# KiCad board Kea Nano PCB V1-rounded.kicad_pcb
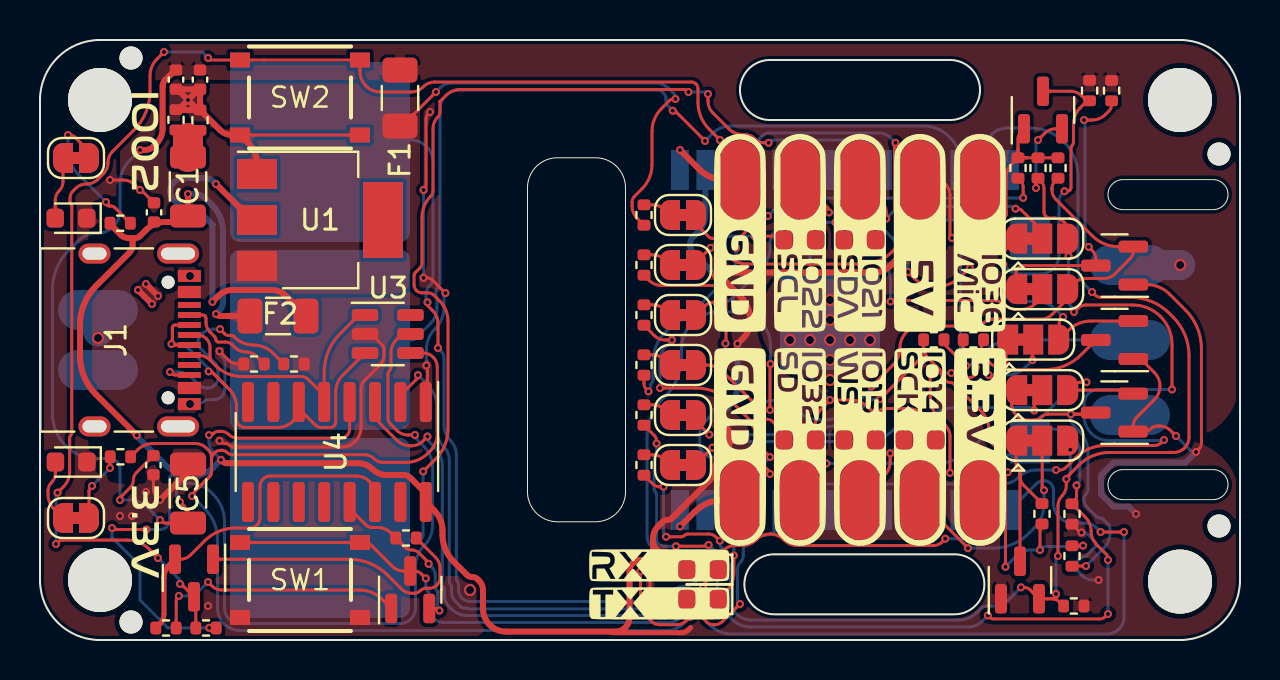
[diagram p0: board, top side]
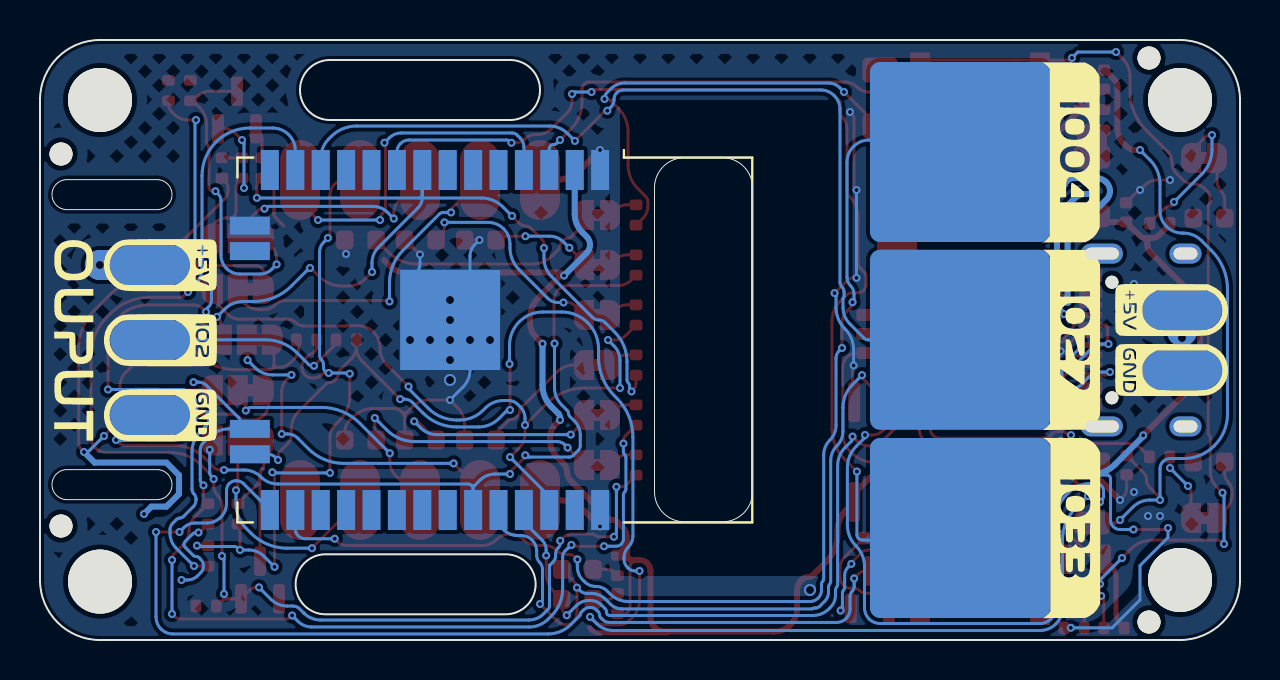
[diagram p1: board, bottom side, seen from below]

Outline 60 x 30 mm; copper layers: Top (plane), Bottom. Coordinates in mm from the lower left corner of the outline.
Outline path: 54.15,23.02 53.4,22.27 54.15,21.52 58.65,21.52 59.4,22.27 58.65,23.02 closed ; 54.15,8.52 53.4,7.77 54.15,7.02 58.65,7.02 59.4,7.77 58.65,8.52 closed ; 45.5,29 47,27.5 45.5,26 36.5,26 35,27.5 36.5,29 closed ; 45.72,4.29 47.22,2.79 45.72,1.29 36.72,1.29 35.22,2.79 36.72,4.29 closed ; 29.27,22.61 28.84,23.67 27.77,24.11 25.87,24.11 24.81,23.67 24.37,22.61 24.37,7.41 24.81,6.35 25.87,5.91 27.77,5.91 28.84,6.35 29.27,7.41 closed ; 0,27 0,3 arc(0.88,0.88) 3,0 57,0 arc(59.12,0.88) 60,3 60,27 arc(59.12,29.12) 57,30 3,30 arc(0.88,29.12) 0,27
Stack: Top 0.035mm / dielectric 1.51mm FR4 er 4.5 / Bottom 0.035mm

## Placement (name value [footprint] x y rotation side)
3.3V1  IO  [IO Pad]  47 7 180 top
5V1  IO  [IO Pad]  44 23 0 top
5V2  IO  [IO Pad]  54.5 18.75 270 bottom
5V3  IO  [IO Pad]  2.9 16.5 90 bottom
C1  22uF  [C_1206_3216Metric]  7.4 22.67 90 top
C2  100nF  [C_0402_1005Metric]  8 28.02 270 top
C3  100nF  [C_0402_1005Metric]  5.7 21.38 90 top
C4  10nF  [C_0402_1005Metric]  6.8 28.02 270 top
C5  100uF  [C_1206_3216Metric]  7.4 7.33 90 top
C6  10nF  [C_0402_1005Metric]  5.67 8.74 270 top
D1  White  [LED_0603_1608Metric]  37.98 10 180 top
D2  Green  [LED_0603_1608Metric]  33.13 2.03 180 top
D3  Red  [LED_0603_1608Metric]  33.13 3.53 180 top
D4  White  [LED_0603_1608Metric]  43.98 10 180 top
D5  White  [LED_0603_1608Metric]  40.98 10 180 top
D6  Green  [LED_0603_1608Metric]  1.55 21.09 180 top
D7  Green  [LED_0603_1608Metric]  43.98 20 180 top
D8  Red  [LED_0603_1608Metric]  37.98 20 180 top
D9  Green  [LED_0603_1608Metric]  40.98 20 180 top
D10  Yellow  [LED_0603_1608Metric]  1.56 8.9 180 top
F1  Polyfuse-3A  [Fuse_1206_3216Metric]  18 27.1 90 top
F2  Polyfuse-3A  [Fuse_1206_3216Metric]  11.9 16.2 180 top
G***  -  [LOGO]  35 20.36 0 top
G***#2  -  [LOGO]  35 9.65 0 top
G***#3  -  [LOGO]  38 9.65 0 top
G***#4  -  [LOGO]  5.27 24.92 270 top
G***#5  -  [LOGO]  30.95 3.73 0 top
G***#6  -  [LOGO]  38 20.36 0 top
G***#7  -  [LOGO]  30.95 1.83 0 top
G***#8  -  [LOGO]  44 9.65 0 top
G***#9  -  [LOGO]  5.27 5.39 270 top
G***#10  -  [LOGO]  43.99 20.36 0 top
G***#11  -  [LOGO]  41 20.36 0 top
G***#12  -  [LOGO]  47 9.65 0 top
G***#13  -  [LOGO]  41 9.65 0 top
G***#14  -  [LOGO]  46.99 20.36 0 top
G***#15  -  [LOGO]  3.4 16.5 270 bottom
G***#16  -  [LOGO]  58.3 15 270 bottom
G***#17  -  [LOGO]  12.73 5.6 180 bottom
G***#18  -  [LOGO]  54 11.24 90 bottom
G***#19  -  [LOGO]  3.4 13.5 270 bottom
G***#20  -  [LOGO]  12.76 24.38 180 bottom
G***#21  -  [LOGO]  54 18.74 90 bottom
G***#22  -  [LOGO]  12.74 15.01 180 bottom
G***#23  -  [LOGO]  54 14.99 90 bottom
GND1  IO  [IO Pad]  35 7 180 top
GND2  IO  [IO Pad]  35 23 0 top
GND3  IO  [IO Pad]  54.5 11.25 270 bottom
GND4  IO  [IO Pad]  2.9 13.5 90 bottom
H1  MountingHole  [MountingHole_3.2mm_M3_DIN965]  57 2.92 0 top
H2  MountingHole  [MountingHole_3.2mm_M3_DIN965]  3 3 0 top
H3  MountingHole  [MountingHole_3.2mm_M3_DIN965]  57 27 0 top
H4  MountingHole  [MountingHole_3.2mm_M3_DIN965]  3 27 0 top
IO2  IO  [IO Pad]  54.5 15 270 bottom
IO4  -  [Touch Pad]  14 24.4 180 bottom
IO14  IO  [IO Pad]  44 7 180 top
IO15  IO  [IO Pad]  41 7 180 top
IO21  IO  [IO Pad]  41 23 0 top
IO22  IO  [IO Pad]  38 23 0 top
IO27  -  [Touch Pad]  14 15.01 180 bottom
IO32  IO  [IO Pad]  38 7 180 top
IO33  -  [Touch Pad]  14 5.6 180 bottom
IO36  IO  [IO Pad]  47 23 0 top
J1  TYPE-C-USB-SMD  [USB_C_Receptacle_XKB_U262-16XN-4BVC11]  3.8 15 270 top
JP1  SolderJumper_2_Bridged  [SolderJumper-2_P1.3mm_Bridged_RoundedPad1.0x1.5mm]  32.15 13.75 180 top
JP2  SolderJumper_3_Bridged12  [SolderJumper-3_P1.3mm_Bridged12_RoundedPad1.0x1.5mm]  49.66 15.02 0 top
JP3  SolderJumper_2_Bridged  [SolderJumper-2_P1.3mm_Bridged_RoundedPad1.0x1.5mm]  32.15 8.75 180 top
JP4  SolderJumper_3_Bridged12  [SolderJumper-3_P1.3mm_Bridged12_RoundedPad1.0x1.5mm]  50.11 9.97 0 top
JP5  SolderJumper_2_Bridged  [SolderJumper-2_P1.3mm_Bridged_RoundedPad1.0x1.5mm]  32.15 11.25 180 top
JP6  SolderJumper_3_Bridged12  [SolderJumper-3_P1.3mm_Bridged12_RoundedPad1.0x1.5mm]  50.11 12.5 0 top
JP7  SolderJumper_2_Bridged  [SolderJumper-2_P1.3mm_Bridged_RoundedPad1.0x1.5mm]  1.8 24.1 0 top
JP8  SolderJumper_2_Bridged  [SolderJumper-2_P1.3mm_Bridged_RoundedPad1.0x1.5mm]  32.15 21.25 180 top
JP9  SolderJumper_2_Bridged  [SolderJumper-2_P1.3mm_Bridged_RoundedPad1.0x1.5mm]  32.15 18.75 180 top
JP10  SolderJumper_3_Bridged12  [SolderJumper-3_P1.3mm_Bridged12_RoundedPad1.0x1.5mm]  50.11 20.07 0 top
JP11  SolderJumper_2_Bridged  [SolderJumper-2_P1.3mm_Bridged_RoundedPad1.0x1.5mm]  32.15 16.25 180 top
JP12  SolderJumper_3_Bridged12  [SolderJumper-3_P1.3mm_Bridged12_RoundedPad1.0x1.5mm]  50.11 17.55 0 top
JP13  SolderJumper_2_Bridged  [SolderJumper-2_P1.3mm_Bridged_RoundedPad1.0x1.5mm]  1.8 6.1 0 top
Q1  BSS138  [SOT-23]  53.73 15 180 top
Q2  BSS138  [SOT-23]  49 3 90 top
Q3  BSS138  [SOT-23]  53.72 11.37 180 top
Q4  BSS138  [SOT-23]  50.15 26.5 90 top
Q5  MMBT3904  [SOT-23]  7.7 3.1 270 top
Q6  MMBT3904  [SOT-23]  18.51 2.51 90 top
Q7  BSS138  [SOT-23]  53.73 18.72 180 top
R1  10k  [R_0402_1005Metric]  8.3 0.6 0 top
R2  5.1k  [R_0402_1005Metric]  12.7 13.8 0 top
R3  5.1k  [R_0402_1005Metric]  10.7 13.8 180 top
R4  100R  [R_0402_1005Metric]  30.2 13.75 90 top
R5  10k  [R_0402_1005Metric]  48.9 23.6 90 top
R6  10k  [R_0402_1005Metric]  46.67 15.01 180 top
R7  100R  [R_0402_1005Metric]  31.13 1.82 90 top
R8  200R  [R_0402_1005Metric]  31.13 3.73 270 top
R9  1R  [R_0402_1005Metric]  6.8 26.01 270 top
R10  100R  [R_0402_1005Metric]  30.2 8.75 90 top
R11  1R  [R_0402_1005Metric]  8 25.99 90 top
R12  10k  [R_0402_1005Metric]  51.69 1.7 0 top
R13  10k  [R_0402_1005Metric]  50.1 6.31 270 top
R14  100R  [R_0402_1005Metric]  30.2 11.25 90 top
R15  100R  [R_0402_1005Metric]  4.01 20.84 0 top
R16  10k  [R_0402_1005Metric]  51.6 6.3 270 top
R17  10k  [R_0402_1005Metric]  51.6 4.2 90 top
R18  330R  [R_0402_1005Metric]  30.2 21.25 90 top
R19  200R  [R_0402_1005Metric]  30.2 18.75 90 top
R20  10k  [R_0402_1005Metric]  49.9 23.6 90 top
R21  10k  [R_0402_1005Metric]  52.48 27.47 90 top
R22  100R  [R_0402_1005Metric]  30.2 16.25 90 top
R23  10k  [R_0402_1005Metric]  18.3 5.1 180 top
R24  10k  [R_0402_1005Metric]  6.3 0.6 180 top
R25  10k  [R_0402_1005Metric]  50.9 23.6 90 top
R26  10k  [R_0402_1005Metric]  53.58 27.47 90 top
R27  300R  [R_0402_1005Metric]  44.69 15.01 0 top
R28  200R  [R_0402_1005Metric]  4.02 9.16 180 top
REF**  -  [JLCPCB_Hole]  59 5.7 0 top
REF**#2  -  [JLCPCB_Hole]  59 24.3 0 top
REF**#3  -  [JLCPCB_Hole]  4.6 29.1 0 top
REF**#4  -  [JLCPCB_Hole]  4.6 0.9 0 top
SW1  BOOT  [TS-1187A-B-A-B]  13 3 0 top
SW2  RESET  [TS-1187A-B-A-B]  13 27.12 0 top
U1  AMS1117-3.3  [SOT-223]  14 21 0 top
U2  ESP32-WROOM-32D  [ESP32-WROOM-32]  40.25 15 270 bottom
U3  SRV05-4-P-T7  [SOT-23-6]  17.39 15.3 0 top
U4  CH340C  [SOP-16_3.9x9.9mm_P1.27mm]  14.84 9.4 270 top

## Library data of the parts
C1 = -: LCSC: C5672
C2 C3 = -: LCSC: C1525
C4 C6 = -: LCSC: C15195
C5 = -: LCSC: C15008
D1 D4 D5 = -: LCSC: C2290
D2 D6 D7 D9 = -: LCSC: C72043
D3 D8 = -: LCSC: C2286
D10 = -: LCSC: C72038
F1 F2 = -: LCSC: C516068
J1 = -: LCSC: C167321
Q1-Q4 Q7 = -: LCSC: C78284
Q5 Q6 = -: LCSC: C20526
R1 R5 R6 R12 R13 R16 R17 R20 R21 R23-R26 = -: LCSC: C25744
R2 R3 = -: LCSC: C25905
R4 R7 R10 R14 R15 R22 = -: LCSC: C25076
R8 R19 R28 = -: LCSC: C25087
R9 R11 = -: LCSC: C25086
R18 = -: LCSC: C25104
R27 = -: LCSC: C25102
SW1 SW2 = -: LCSC: C318884
U1 = -: LCSC: C6186
U3 = -: LCSC: C85364
U4 = -: LCSC: C84681

## Footprints (pads in the part's own frame, mm; a bottom-side part is the same pattern mirrored in y, then rotated)
C_0402_1005Metric
  rrect 0.56x0.62 smd: 1(-0.48,0) 2(0.48,0)
C_1206_3216Metric
  rrect 1.15x1.8 smd: 1(-1.475,0) 2(1.475,0)
ESP32-WROOM-32
  rect 2x0.9 smd: 1(-8.5,8.255) 2(-8.5,6.985) 3(-8.5,5.715) 4(-8.5,4.445) 5(-8.5,3.175) 6(-8.5,1.905) 7(-8.5,0.635) 8(-8.5,-0.635) 9(-8.5,-1.905) 10(-8.5,-3.175) 11(-8.5,-4.445) 12(-8.5,-5.715) 13(-8.5,-6.985) 14(-8.5,-8.255) 25(8.5,-8.255) 26(8.5,-6.985) 27(8.5,-5.715) 28(8.5,-4.445) 29(8.5,-3.175) 30(8.5,-1.905) 31(8.5,-0.635) 32(8.5,0.635) 33(8.5,1.905) 34(8.5,3.175) 35(8.5,4.445) 36(8.5,5.715) 37(8.5,6.985) 38(8.5,8.255)
  rect 0.9x2 smd: 15(-5.715,-9.255) 16(-4.445,-9.255) 23(4.445,-9.255) 24(5.715,-9.255)
  rect 5x5 smd: 39(-1,0.755)
Fuse_1206_3216Metric
  rrect 1.25x1.75 smd: 1(-1.4,0) 2(1.4,0)
IO Pad
  rrect 2x4 smd: 1(0,0)
JLCPCB_Hole
  round 1.152 hole 1.152 unplated: (-0.05,0)
LED_0603_1608Metric
  rrect 0.875x0.95 smd: 1(-0.787,0) 2(0.787,0)
MountingHole_3.2mm_M3_DIN965
  round 3.2 hole 3.2 unplated: (0,0)
R_0402_1005Metric
  rrect 0.54x0.64 smd: 1(-0.51,0) 2(0.51,0)
SolderJumper-2_P1.3mm_Bridged_RoundedPad1.0x1.5mm
  custom 1x1.5 smd: 1(-0.65,0) 2(0.65,0)
SolderJumper-3_P1.3mm_Bridged12_RoundedPad1.0x1.5mm
  custom 1.05x1.5 smd: 1(-1.3,0) 3(1.3,0)
  rect 1x1.5 smd: 2(0,0)
SOP-16_3.9x9.9mm_P1.27mm
  rrect 2x0.6 smd: 1(-2.5,4.445) 2(-2.5,3.175) 3(-2.5,1.905) 4(-2.5,0.635) 5(-2.5,-0.635) 6(-2.5,-1.905) 7(-2.5,-3.175) 8(-2.5,-4.445) 9(2.5,-4.445) 10(2.5,-3.175) 11(2.5,-1.905) 12(2.5,-0.635) 13(2.5,0.635) 14(2.5,1.905) 15(2.5,3.175) 16(2.5,4.445)
SOT-23
  rrect 1.475x0.6 smd: 1(-0.938,0.95) 2(-0.938,-0.95) 3(0.938,0)
SOT-23-6
  rrect 1.325x0.6 smd: 1(-1.137,0.95) 2(-1.137,0) 3(-1.137,-0.95) 4(1.137,-0.95) 5(1.137,0) 6(1.137,0.95)
SOT-223
  rect 2x1.5 smd: 1(-3.15,2.3) 2(-3.15,0) 3(-3.15,-2.3)
  rect 2x3.8 smd: 4(3.15,0)
Touch Pad
  rrect 9x9 smd: 1(0,0)
TS-1187A-B-A-B
  rect 1x0.75 smd: 1(-3,1.875) 1(3,1.875) 2(-3,-1.875) 2(3,-1.875)
USB_C_Receptacle_XKB_U262-16XN-4BVC11
  round 0.65 hole 0.65 unplated: (-2.89,2.605) (2.89,2.605)
  rect 0.3x1.15 smd: A1(-3.35,3.67) A4(-2.55,3.67) A5(-1.25,3.67) A6(-0.25,3.67) A7(0.25,3.67) A8(1.25,3.67) A9(2.55,3.67) A12(3.35,3.67) B1(3.05,3.67) B4(2.25,3.67) B5(1.75,3.67) B6(0.75,3.67) B7(-0.75,3.67) B8(-1.75,3.67) B9(-2.25,3.67) B12(-3.05,3.67)
  oval 1x2.1 hole 0.6x1.7: S1(-4.32,3.105) S1(4.32,3.105)
  oval 1x1.6 hole 0.6x1.2: S1(-4.32,-1.075) S1(4.32,-1.075)

## Nets
+3V3: 3.3V1.1 C1.1 C3.1 F2.2 Q1.1 Q2.1 Q3.1 Q4.1 Q7.1 R1.2 R5.2 R7.1 R8.1 R12.2 R15.1 R16.2 R20.2 R25.2 U2.2 U4.4 U4.16
GND: C2.2 C3.2 C4.2 C5.2 C6.2 D1.1 D4.1 D5.1 D6.1 D7.1 D8.1 D9.1 D10.1 GND1.1 GND2.1 GND3.1 GND4.1 J1.A1 J1.A12 J1.B1 J1.B12 R2.2 R3.2 R9.1 R11.2 SW1.2 SW2.2 U1.1 U2.1 U2.15 U2.38 U2.39 U3.2 U4.1
VBUS: 5V1.1 5V2.1 C2.1 C4.1 C5.1 C6.1 F1.2 R6.2 R13.2 R17.2 R21.2 R26.2 U3.5
/CH340-DTR: Q6.2 R23.2 U4.13
/CH340-RTS: Q5.2 R24.2 U4.14
/CH340-RX: D2.1 U2.35 U4.3
/CH340-TX: D3.1 U2.34 U4.2
/IO0: Q6.3 SW1.1 U2.25
/IO2/WLED: R27.1 R28.1 U2.24 U3.4
/IO14/SCK: JP4.3 Q2.2 R10.1 R12.1 U2.13
/IO15/WS: JP6.3 Q3.2 R14.1 R16.1 U2.23
/IO21/SDA: JP10.3 Q4.2 R19.1 R20.1 U2.33
/IO22/SCL: JP12.3 Q7.2 R22.1 R25.1 U2.36
/IO32/SD: JP2.3 Q1.2 R4.1 R5.1 U2.8
/RESET: Q5.3 R1.1 SW2.1 U2.3
/USB_D+: J1.A6 J1.B6 U3.1 U4.5
/USB_D-: J1.A7 J1.B7 U3.3 U4.6
/USB_IN: 5V3.1 F1.1 J1.A4 J1.A9 J1.B4 J1.B9 R18.1 U1.3
Net-(C1-Pad2): C1.2 R9.2 R11.1
Net-(D1-Pad2): D1.2 JP1.1
Net-(D2-Pad2): D2.2 R7.2
Net-(D3-Pad2): D3.2 R8.2
Net-(D4-Pad2): D4.2 JP3.1
Net-(D5-Pad2): D5.2 JP5.1
Net-(D6-Pad2): D6.2 JP7.1
Net-(D7-Pad2): D7.2 JP8.1
Net-(D8-Pad2): D8.2 JP9.1
Net-(D9-Pad2): D9.2 JP11.1
Net-(D10-Pad2): D10.2 JP13.1
Net-(F2-Pad1): F2.1 U1.2
Net-(IO2-Pad1): IO2.1 R27.2
Net-(IO4-Pad1): IO4.1 U2.26
Net-(IO14-Pad1): IO14.1 JP4.2
Net-(IO15-Pad1): IO15.1 JP6.2
Net-(IO21-Pad1): IO21.1 JP10.2
Net-(IO22-Pad1): IO22.1 JP12.2
Net-(IO27-Pad1): IO27.1 U2.12
Net-(IO32-Pad1): IO32.1 JP2.2
Net-(IO33-Pad1): IO33.1 U2.9
Net-(IO36-Pad1): IO36.1 U2.4
Net-(J1-PadA5): J1.A5 R3.1
Net-(J1-PadB5): J1.B5 R2.1
Net-(JP1-Pad2): JP1.2 R4.2
Net-(JP2-Pad1): JP2.1 Q1.3 R6.1
Net-(JP3-Pad2): JP3.2 R10.2
Net-(JP4-Pad1): JP4.1 Q2.3 R13.1
Net-(JP5-Pad2): JP5.2 R14.2
Net-(JP6-Pad1): JP6.1 Q3.3 R17.1
Net-(JP7-Pad2): JP7.2 R15.2
Net-(JP8-Pad2): JP8.2 R18.2
Net-(JP9-Pad2): JP9.2 R19.2
Net-(JP10-Pad1): JP10.1 Q4.3 R21.1
Net-(JP11-Pad2): JP11.2 R22.2
Net-(JP12-Pad1): JP12.1 Q7.3 R26.1
Net-(JP13-Pad2): JP13.2 R28.2
Net-(Q5-Pad1): Q5.1 R23.1
Net-(Q6-Pad1): Q6.1 R24.1

Pads without a net: J1 A8 B8 S1; U1 4; U2 5 6 7 10 11 14 16 27 28 29 30 31 32 37; U3 6; U4 7 8 9 10 11 12 15

## Via types
v1: diameter 0.6, hole 0.4, Top to Bottom, 14 vias
v2: diameter 0.4, hole 0.2, Top to Bottom, 172 vias

## Routing (per net, layer and track width the routed paths; a pad name or vN(x,y) marks a point on that pad's centre or on a via; arc(x,y) is an arc through that point)
+3V3: length 168.3
  Top w0.15: 48.9,24.53 48.9,25.05 arc(48.94,25.25) 49.05,25.41 Q4.1 ; 48.9,24.53 arc(48.82,24.14) 48.6,23.81 ; 48.9,24.53 arc(49.02,24.23) 49.32,24.11 ; 49.32,24.11 R25.2 ; 49.32,24.11 arc(48.93,24.03) 48.6,23.81 ; Q1.1 54.85,14.05 arc(55.03,14.02) 55.17,13.92 55.72,13.37 arc(55.93,13.06) 56,12.69 arc(55.93,12.33) 55.72,12.02 54.85,11.15 arc(54.71,10.94) 54.66,10.69 arc(54.74,10.5) 54.93,10.42 55.2,10.42 arc(55.38,10.46) 55.54,10.56 arc(55.69,10.66) 55.88,10.7 55.99,10.7 arc(56.24,10.66) 56.47,10.53 56.8,10.2 v2(56.8,10.2) ; v2(3.6,5.6) 3.64,5.56 arc(3.68,5.54) 3.73,5.53 v2(5.33,5.53) ; v2(8.46,0.61) 8.46,0.6 arc(8.47,0.6) 8.48,0.6 R1.2 ; R16.2 51.99,5.4 arc(52.02,5.38) 52.05,5.37 v2(52.08,5.37) ; v2(8.45,10.25) 8.52,10.25 arc(8.59,10.26) 8.64,10.3 8.69,10.34 arc(8.79,10.41) 8.91,10.43 9.04,10.43 arc(9.27,10.39) 9.46,10.26 arc(9.65,10.13) 9.87,10.09 15.02,10.09 arc(15.2,10.13) 15.34,10.22 arc(15.44,10.37) 15.48,10.55 U4.4 ; 49.9,24.1 49.8,24.1 ; v2(57.8,9.4) 57.94,9.54 arc(58.04,9.69) 58.07,9.86 58.07,14.57 arc(57.86,15.61) 57.27,16.5 56.47,17.3 arc(55.95,17.65) 55.33,17.77 54.78,17.77 arc(54.68,17.75) 54.59,17.69 54.5,17.61 ; 47.8,20.7 48.26,21.16 arc(48.29,21.2) 48.3,21.25 48.3,23.09 arc(48.38,23.48) 48.6,23.81 ; R7.1 30.82,1.31 arc(30.7,1.33) 30.59,1.41 arc(30.52,1.51) 30.5,1.63 30.5,3.7 arc(30.48,3.82) 30.41,3.91 30.39,3.94 arc(30.32,3.98) 30.24,4 ; 7.25,21.05 arc(7.08,20.94) 6.89,20.9
  Top w0.25: 28.59,0.39 28.6,0.38 arc(28.62,0.37) 28.63,0.37 32.1,0.37 arc(32.26,0.4) 32.4,0.49 32.53,0.62
  Top w0.3: v2(9.05,9.01) 9.13,8.92 arc(9.23,8.86) 9.34,8.84 15.91,8.84 arc(16.3,8.76) 16.63,8.54 arc(16.95,8.33) 17.34,8.25 18.17,8.25 arc(18.36,8.21) 18.52,8.1 19.14,7.49 arc(19.25,7.32) 19.29,7.12 arc(19.33,6.92) 19.44,6.75 19.71,6.48 arc(20.02,6.02) 20.13,5.47 20.13,5.27 arc(20.27,4.54) 20.69,3.91 21.34,3.26 arc(21.46,3.18) 21.61,3.15 arc(21.76,3.12) 21.88,3.04 21.96,2.96 arc(22.1,2.75) 22.15,2.5 22.15,1.56 arc(22.24,1.13) 22.48,0.76 arc(22.86,0.51) 23.29,0.42 28.77,0.42 arc(29.04,0.47) 29.27,0.63 arc(29.42,0.86) 29.48,1.13 29.48,3.45 arc(29.52,3.66) 29.64,3.84 arc(29.82,3.96) 30.03,4 30.41,4 ; v2(34,11) 34.25,10.75 arc(34.44,10.47) 34.5,10.15 34.5,10 arc(34.41,9.54) 34.15,9.15 33.83,8.83 arc(33.7,8.63) 33.65,8.4 arc(33.6,8.17) 33.47,7.97 31.6,6.1 arc(31.49,6.03) 31.36,6 arc(31.23,5.97) 31.12,5.9 30.9,5.68 arc(30.72,5.4) 30.65,5.07 30.65,5 ; 30.85,4.52 R8.1 ; 30.85,4.52 arc(30.72,4.54) 30.65,4.44 ; 30.85,4.52 arc(30.7,4.74) 30.65,5 ; R15.1 3.5,20.82 arc(3.5,20.8) 3.51,20.79 4.05,20.25 arc(4.22,20.14) 4.41,20.1 4.5,20.1 ; 4.76,20.1 4.5,20.1 ; 4.76,20.1 arc(4.89,20.12) 5,20.2 5.3,20.5 arc(5.74,20.8) 6.27,20.9 6.89,20.9 ; 4.76,20.1 arc(4.67,20.06) 4.63,19.97 ; 4.5,20.1 arc(4.59,20.06) 4.63,19.97 ; 42.8,19 42.49,18.69 arc(42.14,18.46) 41.73,18.38 34.06,18.38 arc(33.96,18.36) 33.88,18.3 v2(33.8,18.22) 33.89,18.22 arc(33.97,18.21) 34.04,18.16 35.05,17.15 arc(35.38,16.65) 35.5,16.07 35.5,15.88 arc(35.42,15.47) 35.19,15.13 v2(34.87,14.81) ; 4.63,19.97 4.63,19.75 arc(4.59,19.55) 4.48,19.38 2.8,17.7 arc(2.21,16.81) 2,15.77 2,14.2 arc(2.21,13.16) 2.8,12.28 v2(4.84,10.23) ; F2.2 8.97,16.2 arc(8.91,16.21) 8.85,16.25 v2(8.8,16.3) ; 30.65,5 30.65,4.44 ; 30.65,4.44 30.65,4.26 arc(30.63,4.16) 30.58,4.08 30.56,4.06 arc(30.49,4.02) 30.41,4 ; v2(7.4,22.3) 7.4,21.41 arc(7.36,21.22) 7.25,21.05 ; 30.41,4 arc(30.38,3.98) 30.39,3.94
  Bottom w0.15: v2(57.8,9.4) 57.7,9.4 arc(57.61,9.42) 57.53,9.47 v2(56.8,10.2) ; v2(52.08,5.37) 52.19,5.37 arc(52.29,5.35) 52.37,5.3 52.74,4.93 arc(52.78,4.86) 52.8,4.78 arc(52.78,4.7) 52.74,4.63 52.34,4.24 arc(52.27,4.19) 52.19,4.17 arc(52.11,4.16) 52.04,4.11 51.96,4.04 arc(51.86,3.88) 51.83,3.7 arc(51.86,3.52) 51.96,3.36 52.12,3.21 arc(52.35,3.05) 52.63,3 v2(52.93,3) ; 3.6,5.5 v2(3.6,5.6) 3.6,5.12 5,3.72 5,2 6.39,0.61 v2(8.46,0.61) ; v2(8.45,10.25) 8.45,9.93 arc(8.51,9.63) 8.68,9.38 v2(9.05,9.01) ; 7.09,8.25 6.65,8.25 arc(6.59,8.24) 6.53,8.2 arc(6.49,8.14) 6.47,8.07 6.47,6 arc(6.44,5.82) 6.34,5.66 arc(6.18,5.56) 6,5.53 v2(5.33,5.53)
  Bottom w0.3: v2(7.4,22.3) 7.73,22.3 arc(8.03,22.24) 8.28,22.07 8.6,21.75 arc(9.01,21.14) 9.15,20.42 9.15,16.9 arc(9.1,16.67) 8.98,16.48 v2(8.8,16.3) ; v2(34.87,14.81) 34.87,12.73 arc(34.76,12.16) 34.44,11.67 34.08,11.32 arc(34.02,11.23) 34,11.12 v2(34,11) ; v2(4.84,10.23) 4.84,10.21 arc(4.84,10.19) 4.86,10.17 6.24,8.79 arc(6.83,8.39) 7.53,8.25 7.75,8.25 arc(8.25,8.35) 8.67,8.63 v2(9.05,9.01) ; v2(57.8,9.4) 57.27,8.87 53.68,8.87 53.05,8.24 53.05,7.29 53.68,6.67 54.43,6.67 v2(54.8,6.3) ; v2(33.8,18.22) 32.67,19.35 arc(32.54,19.54) 32.5,19.76 arc(32.54,19.98) 32.67,20.17 32.88,20.38 arc(33.17,20.81) 33.26,21.31 U2.2
GND: length 90
  Top w0.15: v2(41,19.27) 41.71,19.99 arc(41.73,20) 41.75,20 D9.1 42.02,20 ; v2(44.7,19.3) 44.73,19.33 arc(44.76,19.37) 44.77,19.42 44.77,19.87 arc(44.73,19.96) 44.63,20 44.5,20 ; D4.1 44.77,10.37 arc(44.7,10.7) 44.51,10.99 44.35,11.15 arc(43.88,11.47) 43.33,11.57 42.29,11.57 arc(42.09,11.53) 41.92,11.42 ; v2(19.5,26.4) 19.4,26.3 arc(19.33,26.19) 19.3,26.06 19.3,22.71 arc(19.28,22.63) 19.24,22.56 v2(19.18,22.5) 19.18,22.48 ; v2(19.32,13.73) 19.35,13.7 arc(19.37,13.67) 19.37,13.63 19.37,12.04 arc(19.36,11.99) 19.33,11.94 U4.1 ; v2(6,7) 5.84,7.17 arc(5.71,7.35) 5.67,7.56 C6.2 ; U3.2 16.41,15.3 arc(16.55,15.27) 16.67,15.19 17.09,14.77 arc(17.17,14.65) 17.2,14.51 17.2,14.23 arc(17.15,13.97) 17,13.75 16.22,12.97 arc(16.1,12.79) 16.05,12.58 16.05,10.64 arc(15.98,10.26) 15.76,9.93 arc(15.44,9.72) 15.06,9.64 9.72,9.64 arc(9.59,9.67) 9.49,9.74 arc(9.38,9.81) 9.25,9.83 9.19,9.83 arc(9.11,9.85) 9.04,9.9 v2(8.98,9.96) ; C3.2 5.08,22.48 arc(5.06,22.49) 5.03,22.5 v2(5,22.5) 4.75,22.75 arc(4.47,22.94) 4.15,23 v2(3.5,23) ; 10.39,23.76 10.7,23.45 arc(10.76,23.3) 10.7,23.15 arc(10.53,23.04) 10.34,23 ; D1.1 38.77,10.75 arc(38.86,11.23) 39.13,11.63 v2(39.5,12) 40.52,12 arc(41,11.91) 41.4,11.64 41.62,11.42 ; v2(19.18,18.11) 19.34,18.11 arc(19.5,18.08) 19.63,17.99 v2(20.27,17.35) ; 41.77,10.32 41.77,10.16 41.77,11.06 ; 10.55,25.25 SW2.2 ; R3.2 9.9,13.8 arc(9.64,13.85) 9.41,14 v2(8.97,14.44) ; 41.62,11.42 arc(41.77,11.36) 41.92,11.42 ; 41.62,11.42 arc(41.73,11.25) 41.77,11.06 ; v2(38.03,20) D8.1 ; 41.77,11.06 arc(41.81,11.25) 41.92,11.42
  Top w0.3: v2(7.4,27) 7.92,27.52 arc(7.94,27.53) 7.97,27.54 ; v2(7.4,27) 6.96,26.56 arc(6.92,26.53) 6.86,26.52 6.81,26.52 arc(6.81,26.52) 6.81,26.51 arc(6.82,26.5) 6.83,26.5 7.95,26.5 ; v2(7.4,27) 7.86,26.54 arc(7.9,26.51) 7.95,26.5 ; v2(7.4,27) 6.88,27.52 arc(6.86,27.53) 6.83,27.54 7.97,27.54 ; C5.2 7.4,8.6 arc(7.36,8.42) 7.26,8.26 v2(6,7) ; v2(32,24.5) 32.97,23.53 arc(33.56,23.14) 34.25,23 GND2.1 ; R11.2 8.98,25.52 arc(9.28,25.32) 9.62,25.25 arc(9.97,25.18) 10.27,24.98 10.46,24.79 arc(10.75,24.36) 10.85,23.85 U1.1 ; 7.95,26.5 arc(7.99,26.51) 8,26.55 ; 7.95,26.5 arc(7.99,26.51) 8,26.55 ; v2(32,5.67) 32.73,6.41 arc(33.39,6.85) 34.16,7 GND1.1 ; v2(4.9,17.5) v2(5.6,16.8) ; v2(5.3,17.8) v2(5.9,17.2) ; 8,27.51 8,26.55 ; 8,27.51 arc(7.99,27.53) 7.97,27.54 ; 8,27.51 arc(7.99,27.53) 7.97,27.54
  Bottom w0.15: 38.5,18 38.5,19.2 arc(38.44,19.5) 38.26,19.76 v2(38.03,20) ; v2(8.97,14.44) 9.11,14.31 arc(9.21,14.16) 9.25,13.98 9.25,12.58 arc(9.2,12.36) 9.08,12.18 arc(8.89,12.06) 8.68,12.01 8.31,12.01 arc(8.08,11.86) 7.8,11.8 v1(7.5,11.8) ; v2(8.97,14.44) 8.97,14.37 arc(8.99,14.3) 9.03,14.24 9.23,14.03 ; v2(8.97,14.44) 9.09,14.32 arc(9.18,14.19) 9.21,14.04 ; v2(20.27,17.35) 20.27,17.33 arc(20.27,17.31) 20.26,17.3 20.23,17.28 arc(20.21,17.24) 20.2,17.19 20.2,16.62 arc(20.09,16.05) 19.76,15.57 19.76,15.56 arc(19.43,15.08) 19.32,14.5 v2(19.32,13.73) ; v2(19.18,18.11) v2(19.18,22.5) ; 38.5,14 38.5,13.5 arc(38.59,13.04) 38.85,12.65 v2(39.5,12) ; v2(41,19.27) 41,18.85 arc(41.06,18.53) 41.25,18.25 41.5,18
  Bottom w0.3: U2.38 32,5.68 arc(32,5.68) 32,5.68 v2(32,5.67) ; v2(32,24.5) 32,23.51 arc(32,23.51) 32,23.5 U2.1
  vias: v1(7.5,18.2) v1(21.5,2.5) v1(37.5,15) v1(38.5,15) v1(39.5,17) v1(39.5,16) v1(39.5,15) v1(39.5,14) v1(39.5,13) v1(40.5,15) v1(41.5,15) v2(4,6.2) v2(4.6,6.2) v2(5.3,7.4) v2(8.4,1.7)
VBUS: length 107.5
  Top w0.15: v2(18.75,10.25) 18.41,10.25 arc(18.1,10.31) 17.83,10.49 17.53,10.79 arc(17.43,10.93) 17.4,11.11 17.4,13.29 arc(17.42,13.39) 17.47,13.47 arc(17.53,13.56) 17.55,13.66 17.55,14.36 arc(17.62,14.72) 17.82,15.02 17.95,15.15 arc(18.12,15.26) 18.31,15.3 18,15.3 ; R13.2 50.05,5.75 arc(50.01,5.69) 50,5.63 v2(50,4.5) ; v2(48.38,8.38) 48.33,8.33 arc(48.29,8.27) 48.27,8.2 48.27,3.66 arc(48.27,3.66) 48.27,3.66 v2(48.27,3.66) ; v2(45.5,8.36) 45.5,10.19 arc(45.44,10.48) 45.28,10.72 45.01,10.99 arc(44.64,11.54) 44.51,12.18 v2(44.51,13.31) ; v2(6,6) 6.07,5.92 arc(6.16,5.87) 6.26,5.85 7.07,5.85 arc(7.3,5.95) 7.4,6.17 7.4,6.22 arc(7.35,6.48) 7.2,6.7 v2(7,6.9) ; v2(4,7) 4,7.06 arc(4.01,7.11) 4.04,7.15 4.51,7.62 arc(4.63,7.8) 4.67,8 arc(4.71,8.2) 4.83,8.38 C6.1 ; R6.2 46.16,14.71 arc(46.19,14.55) 46.28,14.42 46.36,14.34 arc(46.4,14.31) 46.45,14.3 arc(46.5,14.29) 46.54,14.26 46.72,14.08 arc(46.85,13.88) 46.9,13.65 46.9,13.61 arc(46.86,13.42) 46.75,13.25 arc(46.58,13.14) 46.39,13.1 46.28,13.1 arc(46.11,13.13) 45.97,13.22 45.95,13.25 arc(45.84,13.32) 45.71,13.35 v2(45.56,13.35) ; 44,24 44,23.5 arc(44.15,23.15) 44.5,23 44.75,23 arc(45.28,22.78) 45.5,22.25 45.5,20.28 arc(45.51,20.21) 45.55,20.15 v2(45.6,20.1) ; R17.2 52.14,4.71 arc(52.14,4.71) 52.15,4.71 v2(52.15,4.72)
  Top w0.3: v2(5,24.5) 5.25,24.5 arc(5.48,24.55) 5.68,24.68 5.82,24.82 arc(6.05,25.16) 6.13,25.58 6.13,27.69 arc(6.16,27.86) 6.26,28 6.74,28.49 arc(6.76,28.5) 6.78,28.5 C4.1
  Bottom w0.15: v2(45.6,20.1) 45.81,19.89 arc(45.97,19.66) 46.03,19.38 46.03,14.25 arc(46,14.12) 45.93,14.01 arc(45.85,13.9) 45.83,13.77 45.83,13.63 arc(45.8,13.52) 45.74,13.43 45.7,13.38 arc(45.66,13.36) 45.61,13.35 v2(45.56,13.35) 44.58,13.35 arc(44.55,13.35) 44.53,13.33 v2(44.51,13.31) ; v2(48.27,3.66) 48.8,4.19 arc(49.15,4.42) 49.56,4.5 v2(50,4.5) 50.09,4.59 arc(50.18,4.65) 50.3,4.67 52.08,4.67 arc(52.11,4.68) 52.13,4.7 v2(52.15,4.72) ; v2(18.75,10.25) 18.75,10.19 arc(18.76,10.13) 18.79,10.08 19.19,9.68 arc(19.52,9.2) 19.63,8.62 19.63,5.74 arc(19.52,5.18) 19.2,4.71 arc(18.89,4.23) 18.77,3.68 18.77,1.6 arc(18.72,1.3) 18.55,1.05 arc(18.3,0.88) 18,0.83 10,0.83 arc(9.7,0.88) 9.45,1.05 arc(9.28,1.3) 9.23,1.6 9.23,5.93 arc(9.08,6.65) 8.67,7.27 8.57,7.37 arc(8.06,7.71) 7.47,7.83 7.2,7.83 arc(6.93,7.72) 6.82,7.45 6.82,7.2 arc(6.85,7.09) 6.91,6.99 v2(7,6.9) ; v2(5,24.5) 4.5,24 arc(4.13,23.45) 4,22.79 4,21.46 arc(3.91,21.04) 3.67,20.67 arc(3.31,20.43) 2.88,20.34 2.82,20.34 arc(2.34,20.25) 1.93,19.98 1.42,19.47 arc(0.83,18.58) 0.62,17.54 0.62,11.29 arc(0.79,10.44) 1.28,9.72 1.3,9.7 arc(1.99,9.24) 2.81,9.07 3.48,9.07 arc(3.68,9.04) 3.85,8.92 arc(3.96,8.75) 4,8.56 v2(4,7) 4.5,7 arc(4.96,6.91) 5.35,6.65 v2(6,6) ; v2(48.38,8.38) 48.37,8.37 arc(48.35,8.36) 48.34,8.36 v2(45.5,8.36)
  Bottom w1.5: 5V2.1 v1(57.01,18.75)
/CH340-DTR: length 8.7
  Top w0.15: v2(19.43,3.81) 19.43,3.84 arc(19.43,3.86) 19.41,3.89 18.94,4.36 arc(18.78,4.46) 18.59,4.5 arc(18.41,4.54) 18.25,4.64 17.53,5.36 arc(17.24,5.56) 16.89,5.63 16.6,5.63 arc(16.44,5.66) 16.3,5.75 15.6,6.45 arc(15.51,6.58) 15.48,6.73 15.48,7.23 ; Q6.2 19.79,1.57 arc(19.86,1.56) 19.92,1.52 v2(19.97,1.47)